# KiCad board jetson-orin-baseboard.kicad_pcb (continued)
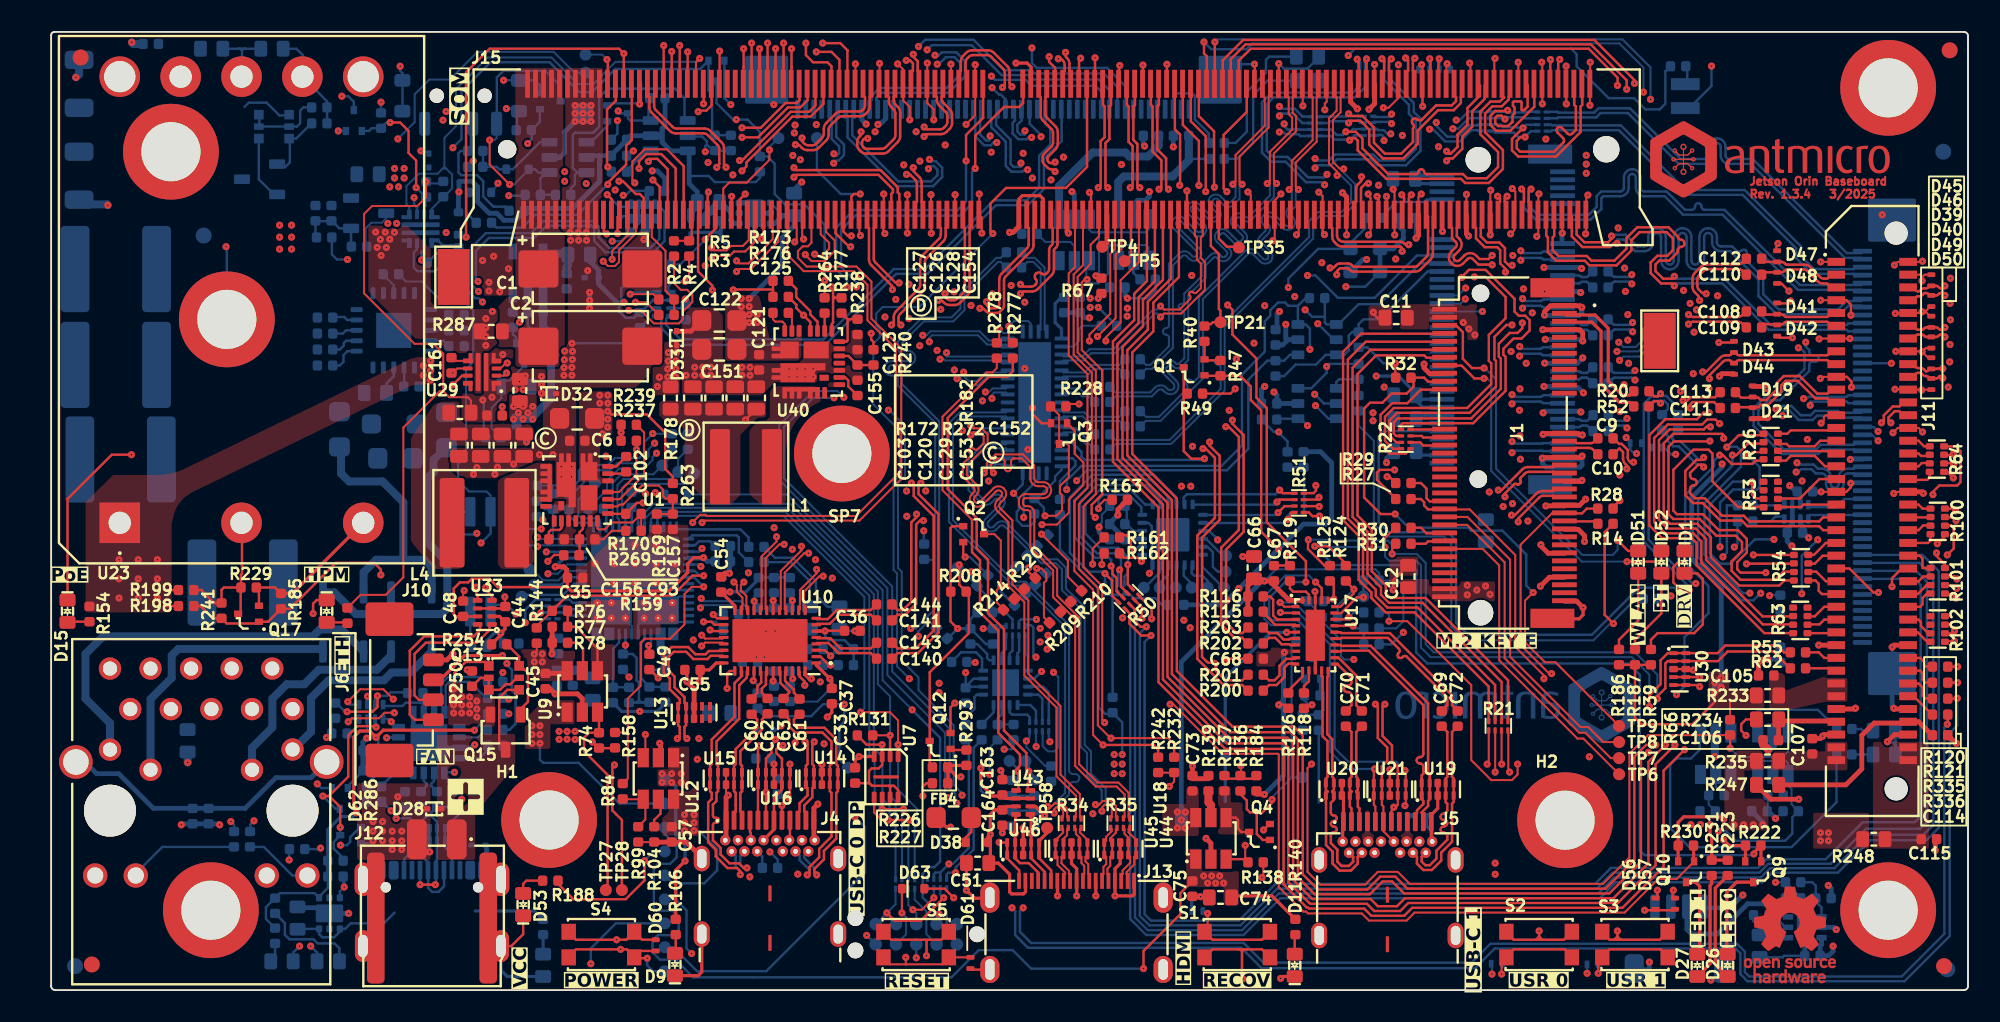
[diagram p0: board, top side]
## Routing (per net, layer and track width the routed paths; a pad name or vN(x,y) marks a point on that pad's centre or on a via; arc(x,y) is an arc through that point) (continued)
USBSS2_RX_P: length 55.7
  Top w0.155: v1(83.31,58.32) 83.45,58.18 83.45,57.57 83.35,57.47 ; v1(72.11,33.91) 72.28,33.91 72.85,33.34 72.85,29.56 71.75,28.46 71.75,20.74 73.39,19.1 74.57,19.1 74.92,18.75
  In5.Cu w0.16: v1(79.12,52.07) 78.98,51.92 78.41,51.92 78.19,51.7 75.69,51.7 75.35,51.36 75.35,48.96 74.2,47.81 74.2,40.61 72.13,38.54 72.13,35.76 71.7,35.34 71.7,34.49 72.11,34.08 v1(72.11,33.91)
  Bottom w0.155: v1(79.12,52.07) 79.24,51.95 79.99,51.95 80.36,52.32 82.76,52.32 83.14,51.95 84.7,51.95 85.42,52.67 85.42,54.45 85,54.87 85,55.44 83.46,56.98 83.46,58.17 v1(83.31,58.32)
USBSS2_TX_N: length 54.1
  Top w0.155: 82.35,56.74 82.35,58.06 82.25,58.16 82.25,58.21 v1(82.35,58.31) ; v1(73.95,35.69) 73.95,35.46 74.65,34.76 74.65,28.69 73.55,27.59 73.55,24.65 arc(73.58,24.58) 73.65,24.55 arc(73.71,24.53) 73.74,24.46 73.74,24.37 arc(73.71,24.3) 73.65,24.27 arc(73.58,24.25) 73.55,24.18 73.55,23.01 74.21,22.35 74.57,22.35 74.92,22.7
  In5.Cu w0.16: v1(73.95,35.69) 73.72,35.69 73.3,36.11 73.3,37.48 76.3,40.48 76.3,41.26 75.52,42.04 75.52,47.11 76.96,48.55 79.66,48.55 80.32,49.21 80.32,50.45 79.87,50.9 v1(79.87,51.08)
  Bottom w0.155: v1(79.87,51.08) 79.68,50.89 78.68,50.89 77.4,52.17 76.49,52.17 76.1,52.56 76.1,55.47 76.53,55.9 81.61,55.9 82.25,56.54 82.25,58.21 v1(82.35,58.31)
USBSS2_TX_P: length 54
  Top w0.155: 74.92,21.7 74.57,22.06 74.08,22.06 73.25,22.89 73.25,27.71 74.35,28.81 74.35,34.64 73.71,35.28 v1(73.53,35.28) ; 81.85,56.74 81.85,58.06 81.76,58.14 v1(81.76,58.29)
  In5.Cu w0.16: v1(79.72,50.43) 79.92,50.43 80.03,50.32 80.03,49.34 79.54,48.85 76.84,48.85 75.23,47.24 75.23,41.91 76,41.14 76,40.6 73,37.6 73,35.99 73.53,35.46 v1(73.53,35.28)
  Bottom w0.155: v1(81.76,58.29) 81.95,58.1 81.95,56.66 81.49,56.2 76.4,56.2 75.8,55.6 75.8,52.44 76.36,51.88 77.27,51.88 78.56,50.59 79.56,50.59 v1(79.72,50.43)
USER_BTN0: length 83
  Top w0.125: S2.2 90.8,1.75 v1(90.8,1) ; 70.3,15.4 69.93,15.77 v1(66.35,15.77) 66.33,15.77 65.53,16.58 65.53,25.17 64.34,26.36 64.34,30.44 65.15,31.25 65.15,38.66 64.01,39.8 64.01,44.81 64.6,45.4 64.6,48.54
  Top w0.15: 70.3,15.4 70.3,14.58
  Top w0.155: 95.2,2.05 95.2,2.1 94.75,2.55 91.55,2.55 91.1,2.1 S2.2
  In3.Cu w0.125: v1(66.35,15.77) 71.83,15.77 72.12,15.47 ; v1(90.4,7.25) 90.85,7.7 90.85,11.15 89.35,12.65 88.75,12.65
  In3.Cu w0.15: 88.75,12.65 78.65,12.65 78,13.3 74.3,13.3 72.12,15.47
  In5.Cu w0.125: v1(90.4,7.25) 90.85,6.8 90.85,1.05 v1(90.8,1)
  Bottom w0.125: D58.2 90.8,1.6 v1(90.8,1)
USER_BTN1: length 87.5
  Top w0.125: 64.1,48.54 64.1,45.28 63.7,44.88 63.7,39.75 64.88,38.58 64.88,31.44 64.05,30.61 64.05,26.25 65.22,25.08 65.22,15.97 v1(65.85,15.35) ; S3.2 96.85,1.8 v1(96.85,1.05)
  Top w0.15: 69.3,14.58 69.3,15.05 69,15.35 v1(65.85,15.35)
  Top w0.155: S3.2 97.1,2.1 97.55,2.55 100.75,2.55 101.2,2.1 101.2,2.05
  In3.Cu w0.125: v1(90.4,7.95) 90.55,8.1 90.55,11.05 89.25,12.35 88.78,12.35 ; 71.9,15.2 71.75,15.35 v1(65.85,15.35)
  In3.Cu w0.15: 88.78,12.35 78.45,12.35 77.85,12.95 74.15,12.95 71.9,15.2
  In5.Cu w0.125: v1(90.4,7.95) 91.15,7.2 91.15,1.85 91.4,1.6 96.7,1.6 96.85,1.45 v1(96.85,1.05)
  Bottom w0.125: v1(96.85,1.05) D59.2
USER_LED0: length 87.4
  Top w0.15: v1(65,49.95) 65.1,49.85 65.1,48.54
  Top w0.2: Q9.1 107.03,8.08 107.03,9.05 106.6,8.61 v1(106.6,8.53)
  In5.Cu w0.15: v1(79.55,27.35) 80.05,27.85 80.05,31.45 79.35,32.15 76.36,32.15 76.07,31.86 76.07,31.43 73.84,29.2 69.15,29.2 67.35,31 67.35,34.15 67.65,34.45 67.65,41.5 67.91,41.76 67.91,47.04 v1(65,49.95)
  Bottom w0.15: v1(79.55,27.35) 80.28,26.61 85.14,26.61 85.45,26.3 85.45,21.15 86.15,20.45 98.75,20.45 99.45,19.75 99.45,8.75 99.75,8.45 106.52,8.45 v1(106.6,8.53)
USER_LED1: length 111.7
  Top w0.125: Q10.1 102.85,8.05 101.75,6.95 100.6,6.95 98.5,4.85 85.35,4.85 84.85,4.35 82.5,4.35 82.05,4.8 78.68,4.8 78.56,4.92 78.38,4.92 76.85,6.45 76.85,14.75 76.8,14.8 73.35,14.8 70.25,17.9 v1(70.05,17.9)
  Top w0.15: 64.85,56.74 64.85,51.55 63.53,50.23 59.78,50.23 58.8,49.25 58.8,47.53 v1(58.95,47.38)
  Top w0.2: 102.82,9.05 102.82,8.07
  In3.Cu w0.125: v1(53.73,19.5) 53.73,18.67 55.15,17.25 69.4,17.25 v1(70.05,17.9)
  Bottom w0.125: v1(53.73,19.5) 53.73,19.5 52.95,20.28 52.95,26.1 52.73,26.31 52.73,31.85 53.11,32.23 53.11,35.03 51.47,36.67 51.47,40.48 51.87,40.88 51.87,41.41 51.65,41.63 51.65,42.37 52.05,42.77 54.34,42.77 v1(58.95,47.38)
VSYNC_CAM0: length 2
  Bottom w0.15: 106.53,30.35 107.85,30.35 107.96,30.24 108.5,30.24
VSYNC_CAM1: length 2.1
  Bottom w0.15: 106.53,29.35 107.65,29.35 107.95,29.65 108.5,29.65
VSYNC_CAM2: length 3.2
  Top w0.125: R4.2 39.94,44.63 v1(39.68,44.37)
  Bottom w0.155: v1(39.68,44.37) 38.92,44.37 38.64,44.09 38.64,43.7
VSYNC_CAM3: length 3.8
  Top w0.125: v1(36.25,43.58) 37.71,43.58 R5.2
  Bottom w0.125: 38.06,43.7 36.37,43.7 v1(36.25,43.58)
~{GPIO_INT}: length 2.3
  Bottom w0.125: 59.25,16.64 60.25,16.64
  Bottom w0.15: U34.11 59.5,17.25 59.25,17 59.25,16.64
~{PDC_CS}: length 36.7
  Top w0.125: v1(53.02,15.37) 53.02,16.89 52.51,17.4 v1(50.67,17.4)
  Top w0.15: v1(53.02,15.37) U7.1
  Bottom w0.125: U6.39 37.95,29.5 38.15,29.7 45.83,29.7 50.91,24.62 50.91,17.64 v1(50.67,17.4) ; R204.8 54.06,10.21 54.21,10.36 54.21,11.34 53.02,12.53 53.02,15.31
~{RESET}: length 97.2
  Top w0.15: 34.85,56.74 34.85,58.23 v1(34.8,58.27) ; v1(48.42,44.43) R264.1
  In3.Cu w0.15: v1(29.33,41.83) 29.81,42.31 29.81,51.14 31.52,52.84 34.72,52.84 36,54.12 36,57.07 v1(34.8,58.27) ; v1(16.87,8.89) 16.87,9.14 17.2,9.47 17.2,11.38 17.7,11.88 17.7,12.49 17.28,12.91 v1(16.66,12.91)
  In5.Cu w0.13: v1(29.33,41.83) 29.05,41.83 27.7,40.47 27.7,39.86 25.12,37.29 24.51,37.29 17.6,30.38 17.6,28.15 18.01,27.74 18.01,15.88 18.67,15.22 18.67,13.75 17.82,12.9 17.81,12.91 v1(16.66,12.91)
  In5.Cu w0.15: v1(34.8,58.27) 34.83,58.27 38.59,54.51 v1(42.89,54.51)
  Bottom w0.125: v1(34.8,58.27) 34.49,58.58 TP33.1
  Bottom w0.15: Q20.1 16.92,12.65 v1(16.66,12.91) ; Q5.1 29.11,40.86 28.9,41.07 R268.1 29,41.5 v1(29.33,41.83) ; R271.2 16.81,8.83 v1(16.87,8.89) ; v1(48.42,44.43) 48.42,47.93 47.15,49.2 45.94,49.2 45.29,49.85 45.29,51.75 44.84,52.2 R183.1 44.37,53.74 43.6,54.51 v1(42.89,54.51) 42.69,54.51 41.65,55.55 Q8.3
~{SHUTDOWN_REQ}: length 15.4
  Top w0.15: 36.35,56.74 36.35,53.23 36,52.88 36,51.7 34.85,50.55 v1(34.85,50.45)
  Bottom w0.15: v1(34.85,50.45) 32.95,48.55 30.3,48.55 29.5,47.75 27.87,47.75 R236.2
~{SPI0_CS0}: length 77.8
  Top w0.15: 72.85,56.74 72.85,59.37 v1(72.85,59.37) ; v1(104.45,35.47) 104.19,35.73 103.67,35.73 103.36,35.42 101.2,35.42 100.35,34.57 100.35,29.3 101.05,28.6 102.8,28.6 103.3,28.1 103.3,26.75 107.15,22.9 109.05,22.9
  In3.Cu w0.15: v1(100.12,55.78) 100.12,55.26 105.52,49.86 105.52,36.54 v1(104.45,35.47)
  Bottom w0.13: v1(100.12,55.78) 100.12,57.78 98.37,59.53 73.02,59.53 v1(72.85,59.37)
~{SPI0_CS1}: length 78.2
  Top w0.15: v1(72.17,59.37) 72.17,58.65 72.35,58.47 72.35,56.74 ; 109.05,22.35 107.25,22.35 103,26.6 103,28 102.7,28.3 100.85,28.3 100.05,29.1 100.05,34.75 101.05,35.75 103.03,35.75 103.44,36.16 v1(103.79,36.16)
  In3.Cu w0.15: v1(99.68,56.23) 99.68,55.17 105.17,49.68 105.17,37.49 103.84,36.16 v1(103.79,36.16)
  Bottom w0.125: 75.14,59.23 75.19,59.28 98.17,59.28 99.68,57.77 v1(99.68,56.23)
  Bottom w0.13: 74.83,58.92 75.14,59.23
  Bottom w0.15: 74.83,58.92 72.62,58.92 v1(72.17,59.37)
~{SPI1_CS0}: length 103.4
  Top w0.125: v1(119.15,22.5) 118.99,22.34 R102.6
  Top w0.15: v1(101.65,15.35) 100.44,14.14 100.44,7.82 98.07,5.45 84.95,5.45 84.45,4.95 82.83,4.95 82.38,5.4 78.84,5.4 78.78,5.45 78.75,5.45 77.45,6.76 77.45,15.2 77.2,15.45 73.6,15.45 69.6,19.45 69.6,30.4 66.75,33.25 66.75,40.45 68.08,41.78 68.08,43.38 69.1,44.4 69.1,48.54
  In5.Cu w0.15: v1(119.15,22.5) 119,22.35 114.45,22.35 109.59,17.49 106.09,17.49 104.1,15.5 101.8,15.5 v1(101.65,15.35)
~{SPI1_CS1}: length 103.5
  Top w0.125: v1(119.15,21.85) 118.59,21.85 R102.5
  Top w0.15: v1(102.25,15.05) 100.94,13.74 100.94,7.73 98.36,5.15 85.2,5.15 84.7,4.65 82.65,4.65 82.2,5.1 78.75,5.1 78.67,5.18 78.59,5.18 77.15,6.62 77.15,14.95 77,15.1 73.5,15.1 69.32,19.28 69.32,30.23 66.47,33.08 66.47,40.62 67.8,41.95 67.8,43.6 68.6,44.4 68.6,48.54
  In5.Cu w0.15: v1(119.15,21.85) 119,22 114.6,22 109.58,16.98 106.18,16.98 104.25,15.05 v1(102.25,15.05)
Net-(BT1-+): length 1.2
  Bottom w0.15: 102.34,57.85 102.42,57.76 102.42,56.7
Net-(C78-Pad1): length 17.5
  Bottom w0.3: 17.25,14.28 16.27,13.3 14.07,13.3 12.15,11.38 6.4,11.38 4.23,13.55 2.85,13.55 2.12,14.28
Net-(D1-A): length 8.4
  Top w0.15: D1.2 103.05,26.1 103.4,25.75 103.4,22.9 102.85,22.35 100.56,22.35 100.15,21.94 100.15,21.33
Net-(D1-C): length 38.4
  Top w0.15: v1(101.9,25.05) 101.9,25.17 101.55,25.53 101.55,26.49 101.81,26.75 102.1,26.75 102.25,26.9 D1.1
  Bottom w0.15: v1(101.9,25.05) 101.75,25.2 99.4,25.2 96.45,22.25 88.7,22.25 87.95,23 87.95,28.15 87.44,28.66 83.74,28.66 83.1,29.3 83.1,34.65 83.45,35 86.97,35
Net-(D2-A): length 6.2
  Bottom w0.155: D2.2 18.05,2.61 17.74,2.92 16.68,2.92 16.43,3.18 14.92,3.18 14.63,3.47 14.63,4.19 R72.1
Net-(D3-A): length 1.2
  Bottom w0.15: D3.2 14.02,2.07 R73.1
Net-(D4-A): length 6.8
  Bottom w0.15: 44.64,27.75 45.31,27.08 46.42,27.08 47.88,25.62 47.88,24.72 48.6,24 D4.2
Net-(D5-A): length 5
  Bottom w0.15: 44.64,26.8 46.3,26.8 47.5,25.6 D5.2
Net-(D8-A): length 1.2
  Bottom w0.2: 30.8,3.36 30.8,2.15
Net-(D9-A): length 1.2
  Top w0.15: 39.1,3.47 39.1,2.35 D9.2
Net-(D11-A): length 1.5
  Top w0.15: 77.7,2.3 77.9,2.5 ; 77.89,3.47 77.85,3.42 D11.2
Net-(D12-Pad1): length 17.6
  Bottom w0.5: 18.15,34.06 18.15,32.35 18.65,31.85 20.75,31.85 22.05,30.55 22.05,26.95 ; D12.1 19.56,26.16 20.35,26.95 22.05,26.95 ; 22.05,26.95 23.35,26.95 23.82,26.48 D13.1
Net-(D12-Pad2): length 21.6
  Bottom w0.5: D12.2 17.73,24.9 19.08,23.55 20.65,23.55 ; 20.65,23.55 24.45,23.55 24.8,23.9 24.8,26.8 23.55,28.05 23.55,32.05 23.94,32.44 23.94,33.21 24.75,34.01 ; 20.65,23.55 21.25,23.55 21.28,23.58 D13.2
Net-(D15-A): length 1.4
  Top w0.15: 2.4,23.06 1.07,23.06 1.02,23.03
Net-(D18-A): length 1.3
  Bottom w0.15: 112.74,14.75 D18.2
Net-(D20-A): length 1.4
  Bottom w0.15: 112.74,16.35 113.3,16.35 113.4,16.25 D20.2
Net-(D24-A): length 8.7
  Bottom w0.15: 73.44,53.05 74.15,53.05 74.85,53.75 74.85,56.25 76.05,57.45 76.05,58.25 76.25,58.45 D24.2
Net-(D25-A): length 8.3
  Bottom w0.15: D25.2 76.15,56.95 75.25,56.05 75.25,53.05 74.25,52.05 73.44,52.05
Net-(D26-A): length 7
  Top w0.2: D26.2 104.18,1.62 104.18,6.39 104.95,7.17
Net-(D26-C): length 5.8
  Top w0.2: 106.55,6.76 105.51,6.76 104.9,6.15 104.9,2.3 D26.1
Net-(D27-A): length 6.7
  Top w0.2: 103.95,7.17 103.95,6.65 103.85,6.55 103.85,1.65 D27.2
Net-(D27-C): length 5.3
  Top w0.2: D27.1 103.2,2.4 103.2,6.5 102.94,6.76 102.35,6.76
Net-(D28-C): length 4.5
  Top w0.15: 29.3,18.8 28.55,18.8 28.05,18.3 28.05,15.5 28.25,15.3
Net-(D36-A): length 89.7
  Top w0.125: v1(27.45,53.23) 27.45,51.7 v1(28.7,50.45)
  Top w0.15: 37.95,3.15 37,3.15 S4.2
  Top w0.155: S4.2 36,3.15 32.85,3.15 32.4,3.6 32.4,3.65
  In3.Cu w0.125: v1(27.45,53.23) 24.83,53.23 24.65,53.05 24.65,48.9 21.95,46.2 21.95,31.28 22.5,30.73 22.5,15.45 23.3,14.65 31.2,14.65 31.39,14.65 31.77,14.61 32.15,14.54 32.51,14.42 32.87,14.28 33.21,14.1 33.52,13.88 33.82,13.64 34.09,13.37 34.33,13.07 34.55,12.76 34.73,12.42 34.87,12.06 34.99,11.7 35.06,11.32 35.1,10.94 35.1,10.75 35.1,3.45 v1(35.4,3.15)
  Bottom w0.125: SW1.3 27.89,53.36 27.76,53.23 v1(27.45,53.23) ; v1(28.7,50.45) 28.99,50.45 29.9,51.36 D36.2
  Bottom w0.15: SW1.3 27.9,54.27 27.9,57.15 28.32,57.58 30.92,57.58 31.9,56.6 31.9,55.65 ; 31.56,49.8 30.63,49.8 30.63,50.84 30.99,51.2 U37.1 30.49,51.2 30.29,51.4 D36.2
Net-(D36-C): length 5.9
  Bottom w0.15: 27.03,52.55 27.03,51.55 27.9,51.55 28.05,51.4 D36.1 28.9,51.4 30.6,53.1 U37.3
Net-(D37-A): length 14.6
  In3.Cu w0.125: v1(27.98,50.53) 28.55,51.1 29.12,51.1 31.38,53.35 34.25,53.35 34.8,53.9 34.8,54.8 35.05,55.05 v1(35.5,55.05)
  Bottom w0.125: v1(27.98,50.53) 27.98,50.42 27.55,50 D37.2
  Bottom w0.15: Q11.3 35.65,54.9 v1(35.5,55.05) ; 37.4,56.08 37.4,54.45 36.25,54.45 36.11,54.59 36.11,54.9
Net-(D37-C): length 2.2
  Bottom w0.15: R236.1 26,48.66 26,49.95
Net-(D38-A): length 1.6
  Top w0.15: 57.6,10.8 57.6,9.9 57.25,9.55 57.25,9.35
Net-(D51-A): length 5.3
  Top w0.15: D51.2 99.35,23.14 98.15,21.94 98.15,21.33
Net-(D52-A): length 5.4
  Top w0.15: D52.2 100.8,23.58 99.15,21.94 99.15,21.33
Net-(D53-A): length 1.9
  Top w0.15: 30.77,6.85 29.75,6.85 29.55,6.65 D53.2
Net-(D54-A): length 1.4
  Bottom w0.15: 106.56,4.69 106.56,4.31 106.95,3.92 D54.2
Net-(D61-A): length 111.9
  Top w0.125: 53.51,1.61 55.76,1.61 56.2,2.05 D61.2 ; 53.51,1.61 52.54,1.61 52.1,2.05 ; 53.51,1.61 53.5,1.62 v1(53.5,2.05)
  In3.Cu w0.125: v1(25.15,52.75) 25,52.6 25,48.8 22.24,46.04 22.24,31.47 22.77,30.94 22.77,15.68 23.5,14.95 31.3,14.95 31.5,14.95 31.9,14.91 32.3,14.83 32.68,14.71 33.05,14.56 33.41,14.37 33.74,14.15 34.06,13.89 34.34,13.61 34.6,13.29 34.82,12.96 35.01,12.6 35.16,12.23 35.28,11.85 35.36,11.45 35.4,11.05 35.4,10.85 35.4,7.1 37.05,5.45 50.75,5.45 51.25,4.95 51.25,4.05 53.25,2.05 v1(53.5,2.05)
  Bottom w0.15: 42.55,53.53 41.55,53.53 41.38,53.71 41.38,56.12 41.15,56.35 Q8.1 40.63,57.68 35.32,57.68 33.87,56.22 33.08,56.22 31.2,58.1 27.5,58.1 25.69,56.29 25.69,53.29 v1(25.15,52.75)
Net-(D62-A): length 1.3
  Top w0.15: R286.1 18.49,23.03 17.25,23.03
Net-(D62-C): length 37
  Top w0.15: D62.1 16.62,24.42 16.4,24.2 v1(16.4,23.58)
  In3.Cu w0.15: v1(18.2,55.97) 18.2,54.88 19.25,53.83 19.25,33.25 16.9,30.9 16.9,24.08 v1(16.4,23.58)
  Bottom w0.15: v1(18.2,55.97) 18.6,55.97 18.95,55.62 Q22.3
Net-(D63-A): length 2.9
  Top w0.15: v1(56.5,5.78) 55.93,6.35 D63.2
  Bottom w0.125: v1(56.5,5.78) 56.06,6.22 R112.1
Net-(J6-LED_GRN-): length 6.8
  Bottom w0.15: 5.3,7.3 6.97,8.97 11.45,8.97
Net-(J6-LED_YEL-): length 4.3
  Bottom w0.15: 12.45,8.97 13.31,8.97 15.1,7.17 16.04,7.17
Net-(J11-Pad63): length 2.1
  Top w0.15: 109.84,21.15 110.65,21.15 111,20.8 111.75,20.8
Net-(J11-Pad64): length 1.9
  Top w0.15: 117.76,20.25 117.35,20.25 117.25,20.35 117.25,20.55 117,20.8 116.25,20.8
Net-(J11-Pad65): length 2
  Top w0.15: 109.84,20.15 111.6,20.15 111.75,20
Net-(J11-Pad66): length 2.1
  Top w0.15: 117.76,19.25 117.35,19.25 117.15,19.45 117.15,19.85 117,20 116.25,20
Net-(J11-Pad68): length 2.2
  Top w0.15: J11.68 116.9,19.2 117.15,18.95 117.15,18.45 117.35,18.25 117.76,18.25
Net-(J11-Pad70): length 1.6
  Top w0.15: 116.6,18.4 117.75,17.25
Net-(J15A-CLK_32K_OUT): length 6.9
  Top w0.125: v1(44.97,52.61) 44.97,51.99 43.55,50.56 42.45,50.56 42.08,50.19 J15.210
  Bottom w0.125: TP44.1 44.97,52.79 v1(44.97,52.61)
Net-(J15B-CAM0_MCLK): length 3.1
  Top w0.15: 67.6,48.54 67.6,46 67.2,45.6
Net-(J15B-CAM0_PWDN): length 71.8
  Top w0.125: 68.1,48.54 68.1,45.6 66.95,44.45 66.95,41.8 66.03,40.88 v1(66.03,40.65)
  In5.Cu w0.125: v1(66.03,40.65) 66.15,40.53 66.15,35 65.85,34.7 65.85,30.45 66.05,30.25 66.05,29.3 66.4,28.95 67.15,28.95 70.15,25.95 70.15,22.3 70.55,21.9 86.75,21.9 87.5,21.15 94.3,21.15 97.15,24 102.95,24 104.66,25.71 v1(104.66,27.13)
  Bottom w0.15: 105.56,30.35 104.91,30.35 104.9,30.34 104.9,27.37 v1(104.66,27.13)
Net-(J15B-CAM1_MCLK): length 2.2
  Top w0.3: 65.8,46.5 66.1,46.8 66.1,48.54
Net-(J15B-CAM1_PWDN): length 73.2
  Top w0.125: 66.6,48.54 66.6,46.4 66.3,46.1 66.3,42.35 65,41.05 v1(65,40.65)
  In5.Cu w0.125: v1(65,40.65) 65.1,40.55 65.1,31.68 64.65,31.23 64.65,26.35 67.75,23.25 67.75,22.45 70.1,20.1 92.5,20.1 92.95,20.55 94.5,20.55 97.35,23.4 103.54,23.4 105.37,25.23 v1(105.37,27.74)
  Bottom w0.15: 105.56,29.35 105.56,27.94 v1(105.37,27.74)
Net-(J15E-HDMI_CEC): length 3
  Top w0.15: 73.1,48.54 73.1,47.05 73.6,46.55 74.35,46.55
Net-(J15H-GPIO02): length 42.4
  Top w0.125: 65.6,48.54 65.6,47.2 65.08,46.67 65.08,45.47 64.26,44.66 64.26,39.93 65.4,38.79 65.4,31.06 64.62,30.28 64.62,26.47 65.8,25.3 65.8,16.9 v1(65.95,16.75)
  In3.Cu w0.15: v1(59.66,15.08) 59.66,16.21 60.2,16.75 v1(65.95,16.75)
  Bottom w0.125: v1(59.66,15.08) 60.13,15.08 60.25,15.2 60.25,15.67
Net-(J15H-GPIO12/PWM): length 2.6
  Top w0.125: R2.1 R4.1 40.1,47.08 40.1,48.54
Net-(J15H-GPIO13/PWM): length 6.8
  Top w0.125: 37.6,48.54 37.6,47.15 38.46,46.29 38.46,43.79 R5.1 R3.1
Net-(Q1-D): length 16.4
  Top w0.15: v1(72.2,33.28) 71.38,33.28 70.9,33.75 70.9,39
  Bottom w0.15: v1(72.2,33.28) 72.12,33.2 64.7,33.2 64.5,33.4 64.5,33.7 63.9,34.3 U36.14
Net-(Q1-S): length 2.1
  Top w0.15: 73.2,39.44 72.27,39.44 72.2,39.5 72.2,40.61
Net-(Q2-D): length 24.3
  Top w0.125: 64.51,25.01 63.65,25.88 63.65,26.9 v1(62,28.55) ; 62.5,23 62.15,23.34 62.15,25.5 62.3,25.65 R221.1 62,26.4 v1(61.7,26.4) ; 58.4,28.55 59.05,28.55 59.45,28.15 v1(59.45,25.3) 59.2,25.05 59.2,24.28 59.61,23.87 59.61,23.81
  Top w0.15: v1(61.2,26.45) 61.19,26.44 61.19,26.18 61.56,25.81 61.61,25.81
  In5.Cu w0.125: v1(59.45,25.3) 60.6,26.45 v1(61.2,26.45) 62.34,27.59 62.34,28.21 v1(62,28.55)
  In5.Cu w0.15: v1(61.2,26.45) 61.25,26.4 v1(61.7,26.4)
  Bottom w0.15: v1(61.7,26.4) 62,26.1 62.3,26.1 ; v1(62,28.55) 62.36,28.55 62.4,28.5 ; 60.4,26.5 61.15,26.5 v1(61.2,26.45) ; v1(59.45,25.3) 59.45,24.94 60.3,24.1
Net-(Q3-D): length 13
  Top w0.125: 62.56,36.55 63.1,36.02 63.1,34.2 63.13,34.23 63.57,34.23 63.71,34.09 63.71,32.12 63.15,31.56 63.15,31.14 63.28,31.01 63.28,30.05 62.93,29.7 v1(62.22,29.7)
  Bottom w0.15: v1(62.22,29.7) 62.15,29.77 62.15,30.2 61.56,30.78 61.55,30.78 61.73,30.78 62.85,31.9 62.85,32.17 63.26,32.58 U36.17
Net-(Q4-D): length 2.1
  Top w0.15: 75,9.9 74.5,9.9 74.3,10.1 74.3,10.65 74.15,10.8 73.55,10.8
Net-(Q11-G): length 2.1
  Bottom w0.15: Q11.1 34.81,54.11 33.8,53.1 33.45,53.1
Net-(Q13-Pad2): length 4.2
  Top w0.15: 26.35,19.02 26.88,19.55 27.4,19.55 27.4,18.8 28.1,18.8 28.45,19.15 28.75,19.15 29.15,19.55 29.3,19.55
Net-(Q14-Pad2): length 5
  Bottom w0.15: 13.04,54.83 13.04,54.08 15.39,54.08 15.59,54.28 15.59,55.08 15.79,55.28 16.3,55.28
Net-(Q15-G): length 4.8
  Top w0.15: 28.53,21.65 29.3,20.89 29.3,20.3 29.4,20.3 29.85,19.85 29.85,18.05 29.4,17.6
Net-(Q16-G): length 3.7
  Bottom w0.15: 16.29,54.28 15.34,53.33 14.94,53.33 14.94,51.83 14.64,51.53
Net-(Q18-G): length 4.5
  Bottom w0.15: 16.55,47.19 16.55,48.15 17.59,48.15 18.04,47.7 18.77,47.7 18.77,46.58 C50.1
Net-(Q19-G): length 3.5
  Bottom w0.15: Q19.1 79.44,19.48 79.44,18.45 79.65,18.23 79.65,17.55 79.35,17.25 79.35,17.23 78.35,17.23
Net-(R50-R1.2): length 97.6
  Top w0.15: v1(68.89,23.25) 68.89,23.89 68.1,24.69 R50.8
  Bottom w0.15: 113.4,27.25 117.15,27.25 118.17,26.23 118.17,10.16 117.4,9.39 113.89,9.39 111.85,7.35 107.72,7.35 107.12,6.75 97.95,6.75 96.95,5.75 76.95,5.75 74.65,3.45 68.55,3.45 67.55,4.45 67.55,23.4 67.94,23.79 68.36,23.79 68.89,23.26 v1(68.89,23.25)
Net-(R50-R2.2): length 93.7
  Top w0.15: v1(68.28,23.27) 68.28,23.97 67.82,24.43 R50.7
  Bottom w0.15: v1(68.28,23.27) 68.17,23.27 67.85,22.95 67.85,4.55 68.65,3.75 74.55,3.75 76.85,6.05 96.85,6.05 97.85,7.05 107.03,7.05 107.61,7.63 111.63,7.63 113.74,9.74 117.23,9.74 117.82,10.33 117.82,25.88 116.95,26.75 113.4,26.75
Net-(R50-R3.2): length 91.8
  Top w0.15: R50.6 67.82,23.86 67.82,23.13 68.2,22.75 v1(68.56,22.75)
  Bottom w0.15: 113.4,26.25 116.75,26.25 117.42,25.58 117.42,10.54 116.99,10.11 113.61,10.11 111.41,7.91 107.5,7.91 106.94,7.35 97.75,7.35 96.75,6.35 76.75,6.35 74.45,4.05 68.75,4.05 68.15,4.65 68.15,22.34 v1(68.56,22.75)
Net-(R50-R4.2): length 90
  Top w0.15: 67.25,23.86 67.5,23.61 67.5,22.95 68.25,22.2 v1(68.85,22.2)
  Bottom w0.15: v1(68.85,22.2) 68.45,21.8 68.45,4.75 68.85,4.35 74.35,4.35 76.65,6.65 96.65,6.65 97.65,7.65 106.85,7.65 107.39,8.19 111.09,8.19 113.42,10.52 116.69,10.52 117.03,10.86 117.03,25.37 116.65,25.75 113.4,25.75
Net-(R51-R1.2): length 76.3
  Top w0.15: v1(79.17,31.6) 79.18,31.59 79.18,31.27 79.03,31.12 78.64,31.12
  In5.Cu w0.125: v1(79.17,31.6) 78.92,31.86 76.66,31.86 76.45,31.65 76.45,31.35 74,28.9 69.05,28.9 67.05,30.9 67.05,34.25 67.35,34.55 67.35,41.55 66.95,41.95 66.95,47.25 64.85,49.35 53.24,49.35 53.08,49.51 53.08,50.62 52.5,51.2 48.8,51.2 48.35,51.65 48.35,53.5 48.7,53.85 48.7,55.4 49.84,56.54 58.17,56.54 v1(58.86,57.23)